# Altium PCB obc_board.PcbDoc (part 1 of 2)
Units mm, origin at the board's own origin, x right, y up, seen from the top; angles counter-clockwise.
Board outline 89 x 93.3 mm, 4 copper layers (Top Layer, Ground Plane, Power Plane, Bot Layer), stack 1.57 mm thick; 143 components, 109 nets, 735 pads, 627 vias.
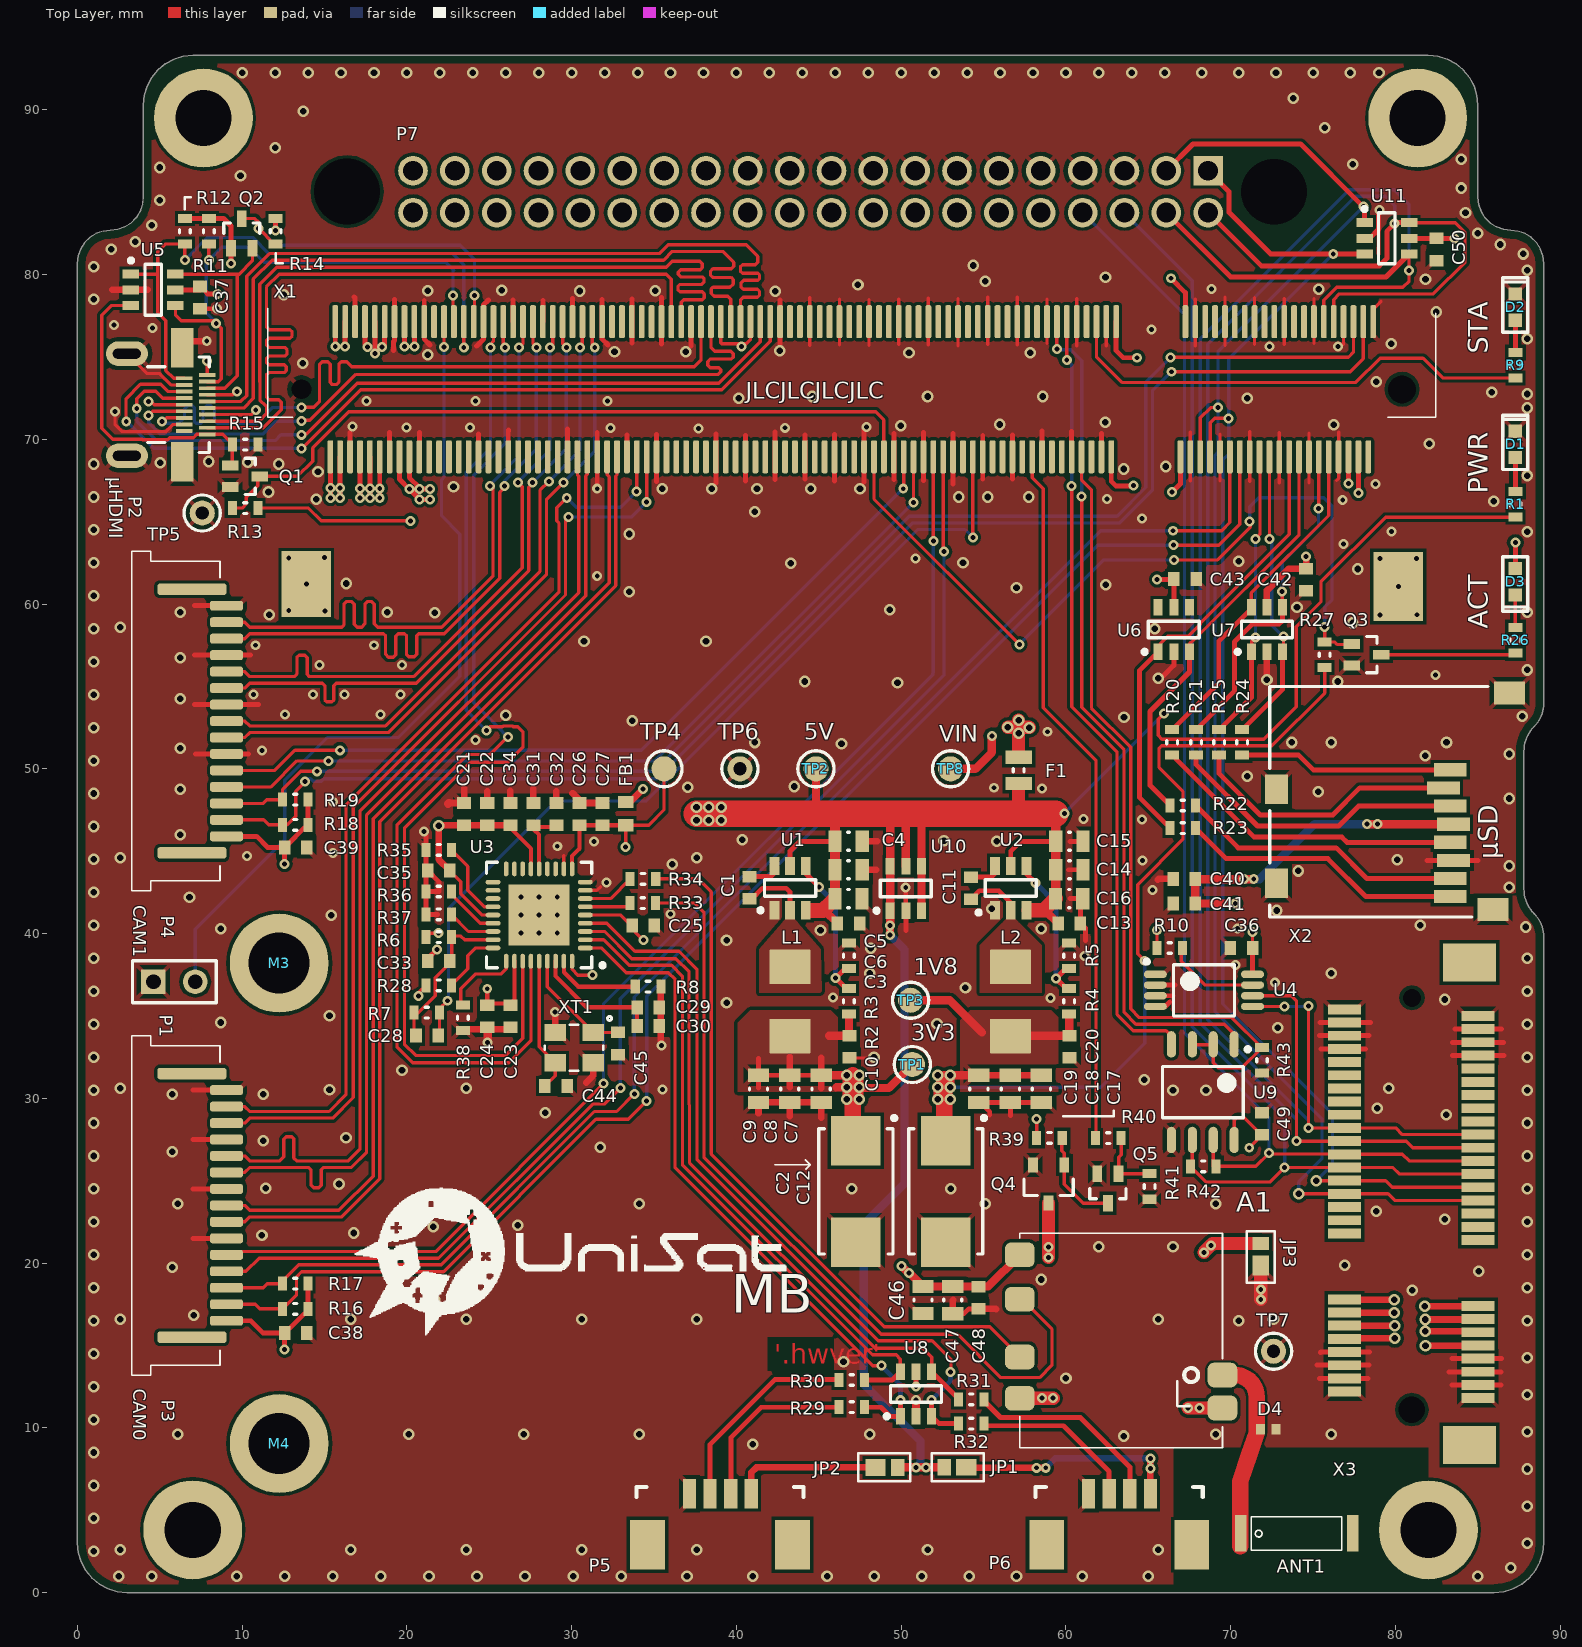
[diagram p0: Top Layer view]
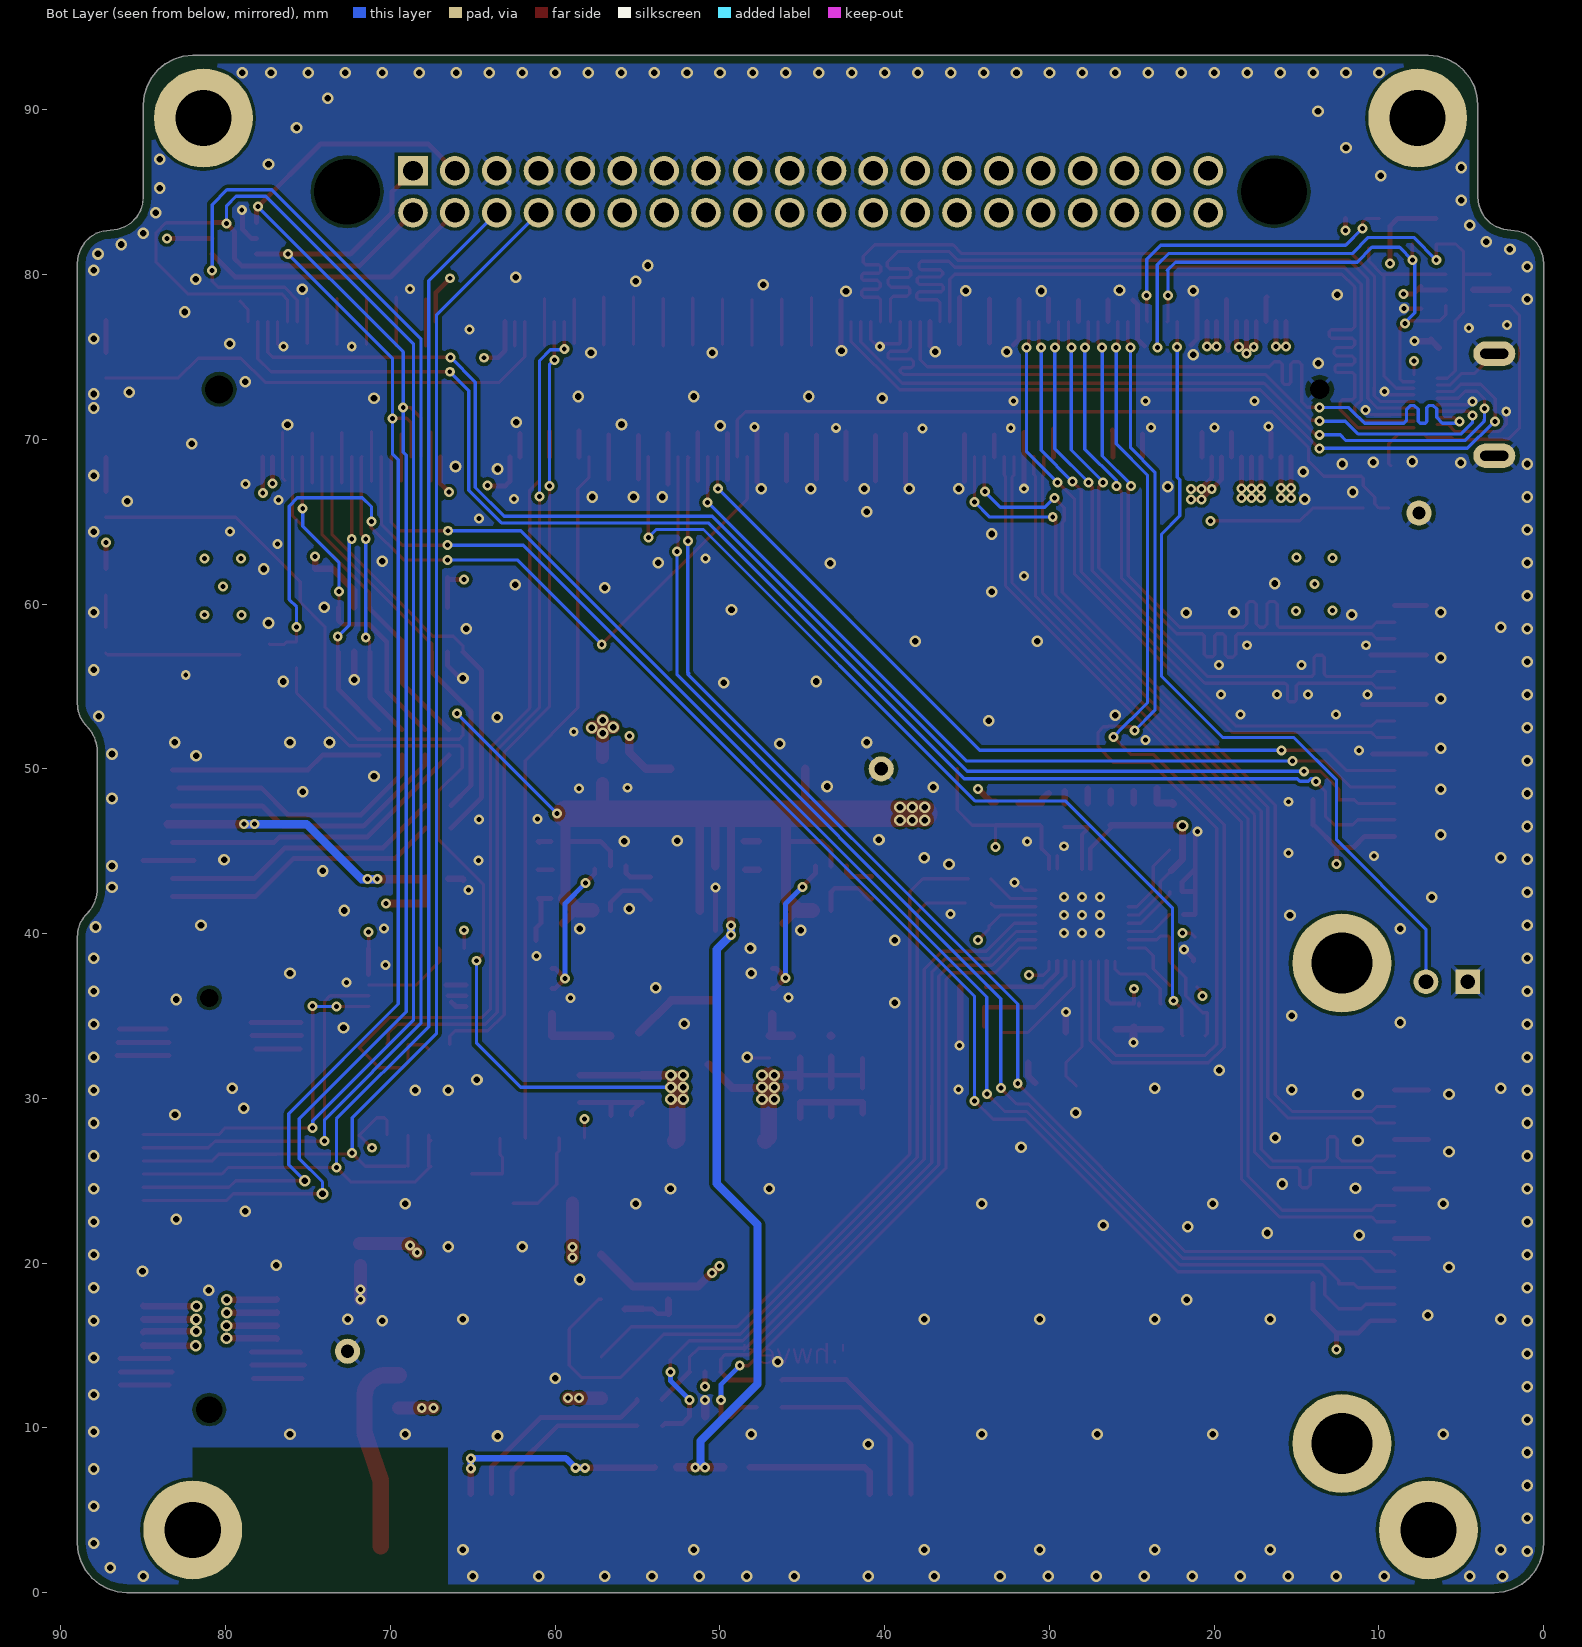
[diagram p1: Bot Layer view, seen from below]
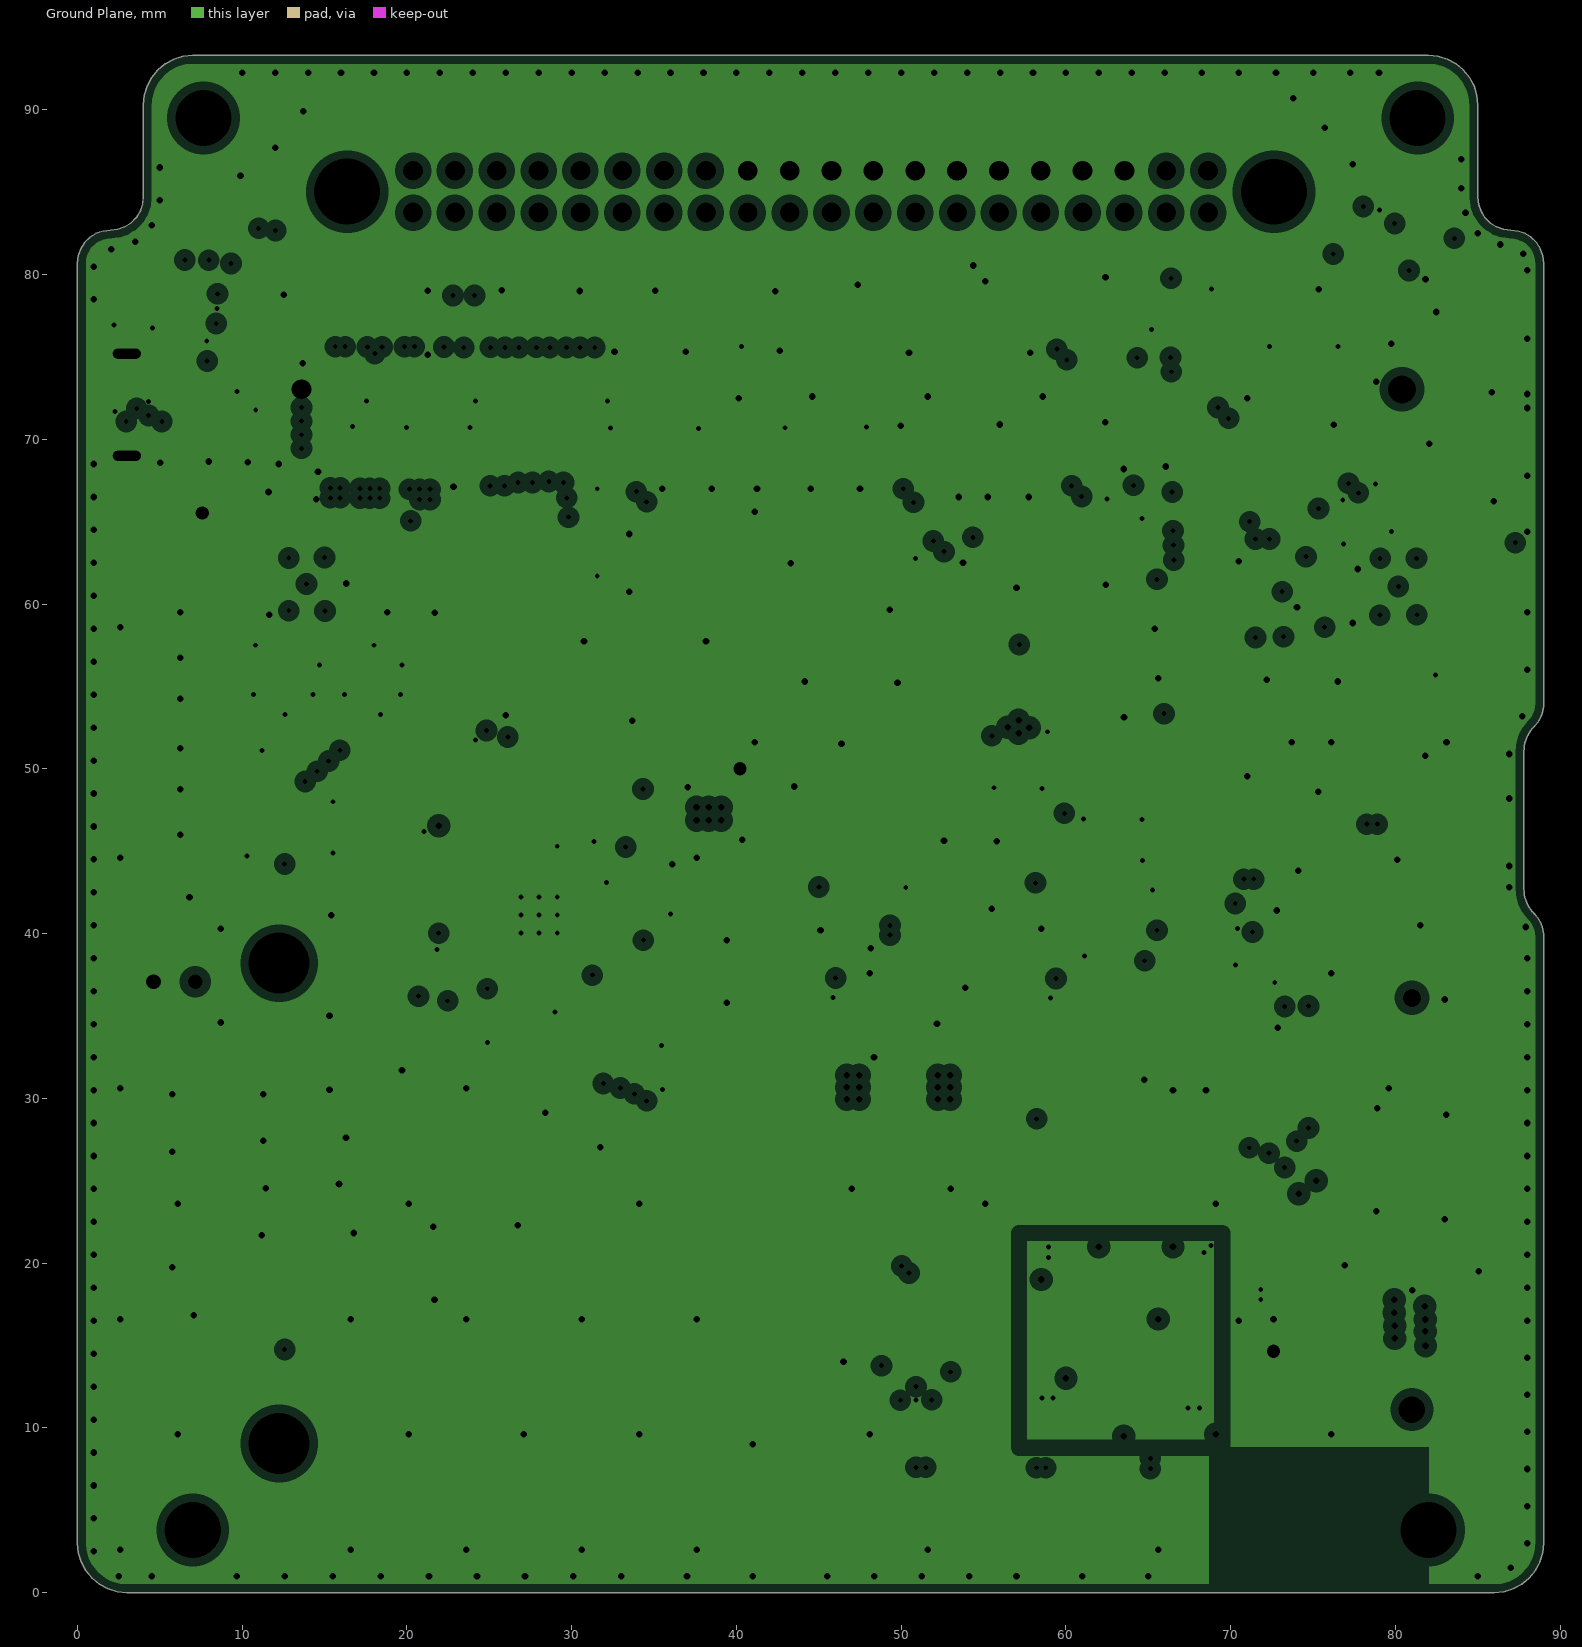
[diagram p2: Ground Plane, clearances drawn from the general rule]
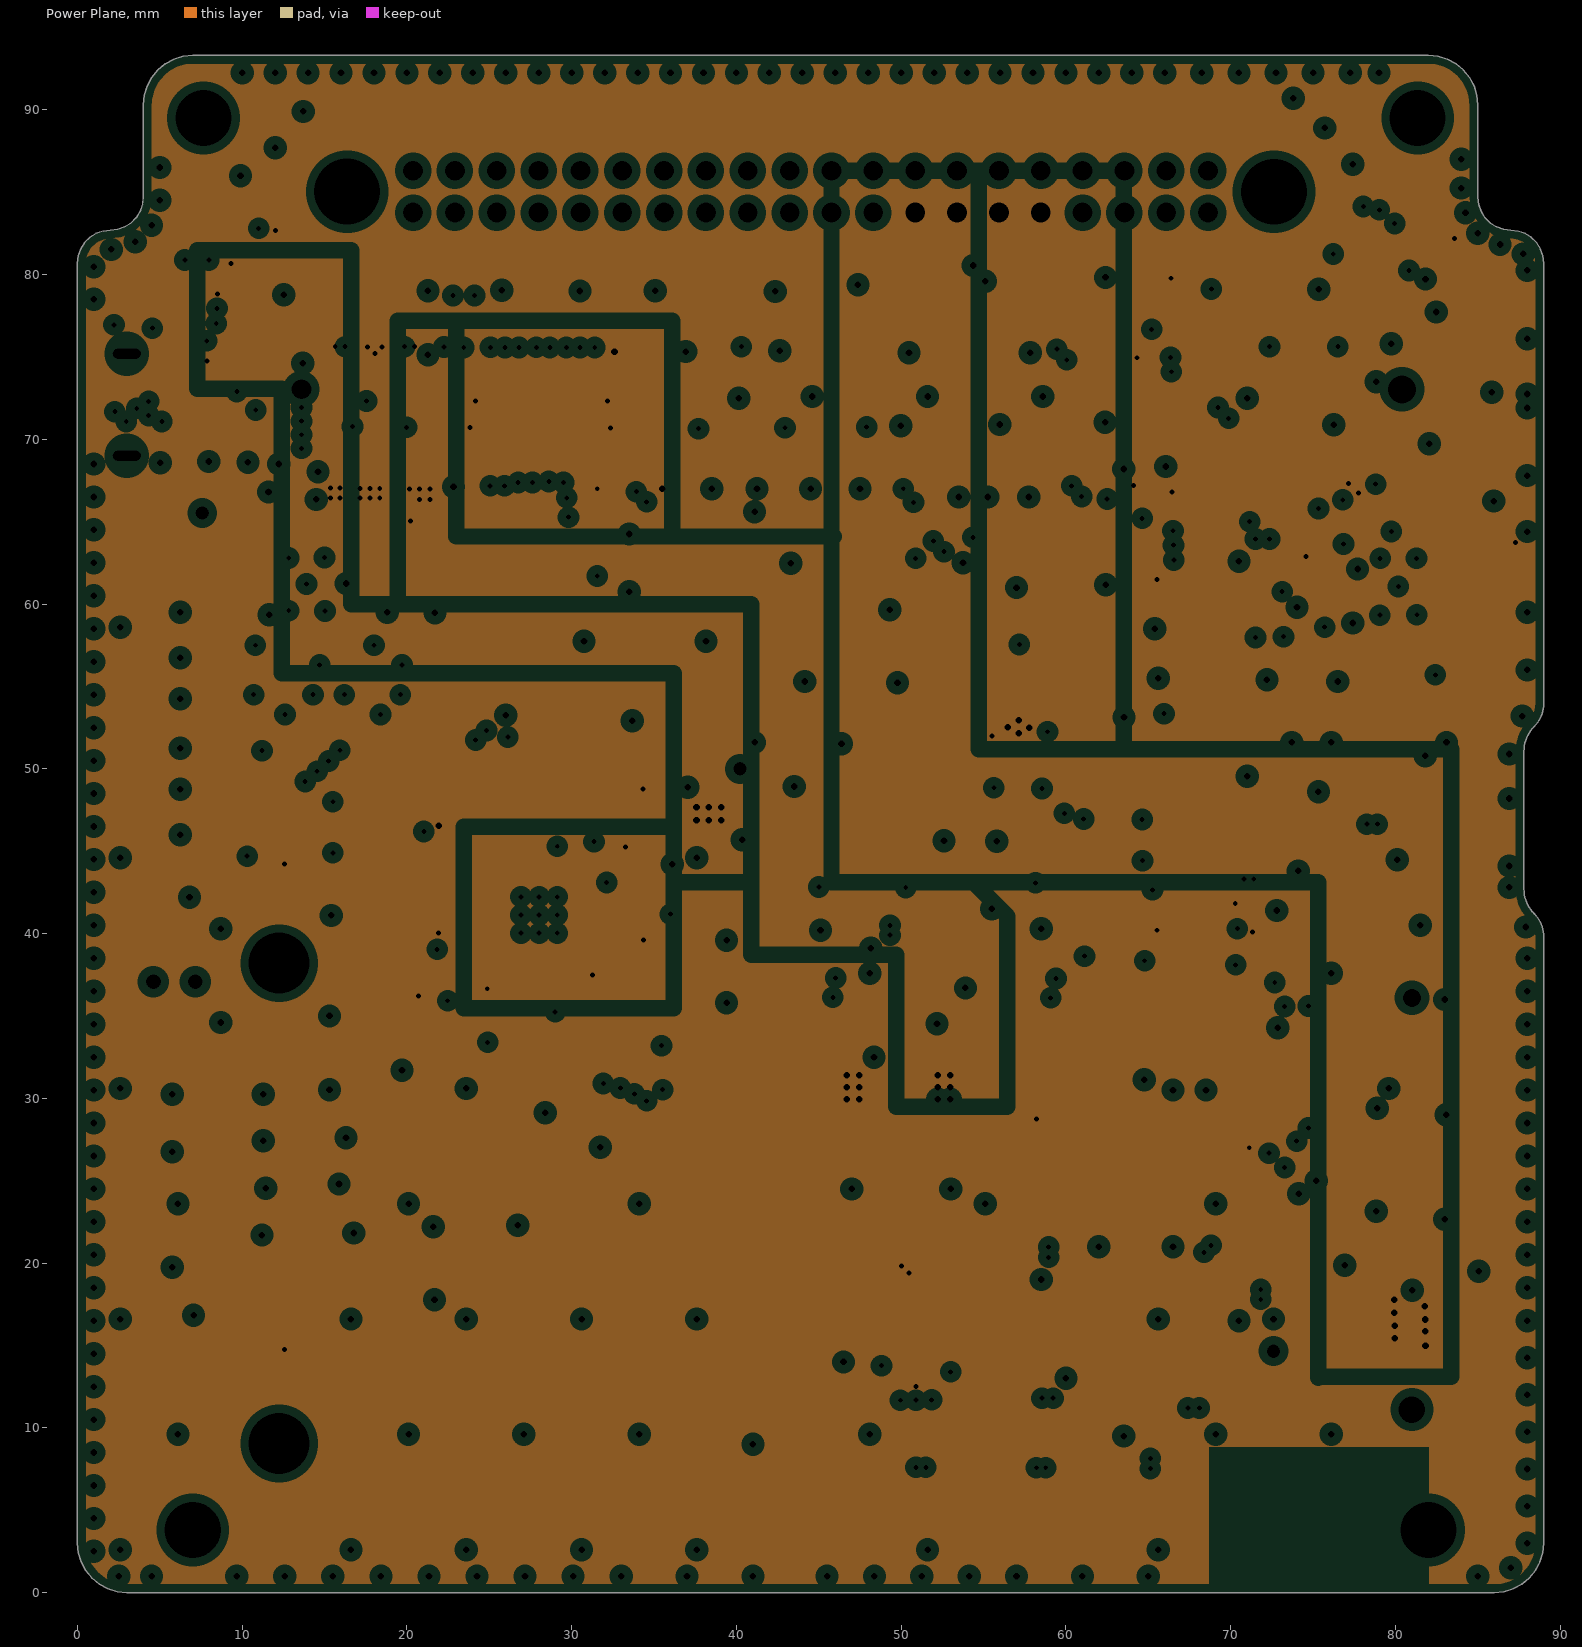
[diagram p3: Power Plane, clearances drawn from the general rule]
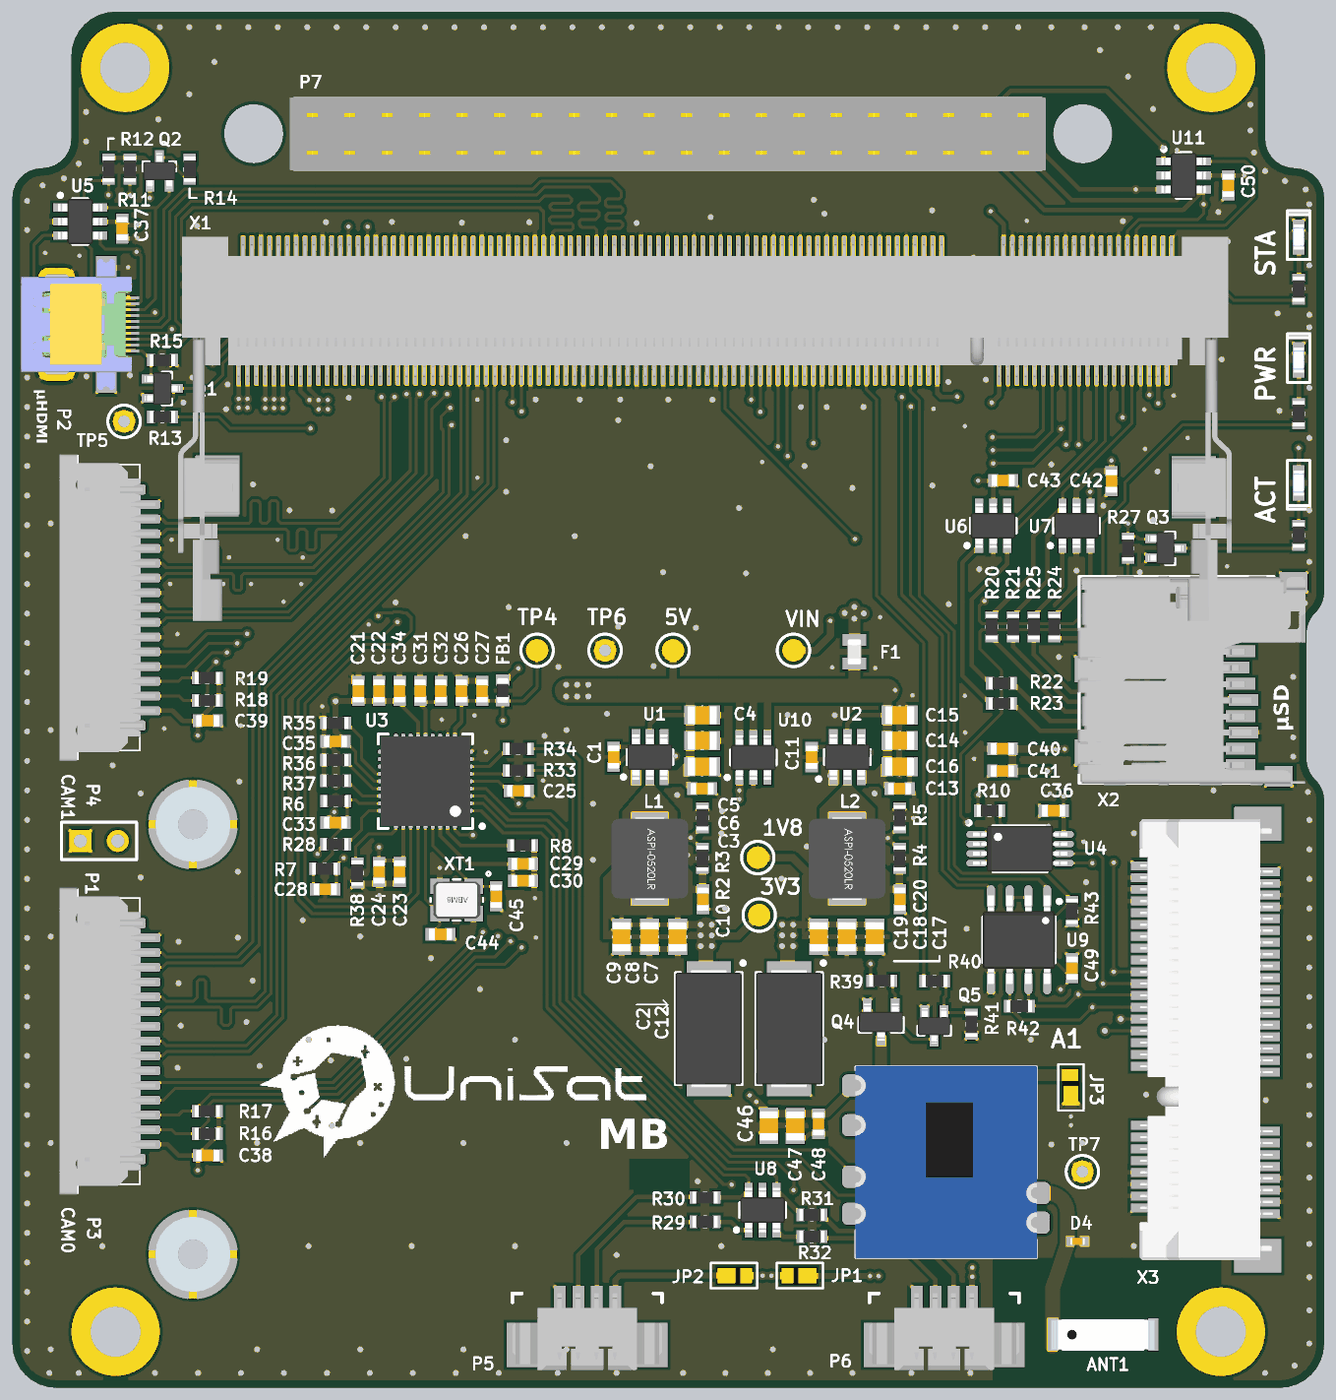
[diagram p5: 3D render of the assembled board from above, using the file's embedded part models]

## Layer stack, top to bottom
Top Solder: solder mask 0.0127, Solder Resist, Dk 3.5
Top Layer: signal copper 0.035
Dielectric 1: core 0.2, FR-4, Dk 4.6
Ground Plane: plane copper 0.0175, net (Multiple Nets)
Dielectric 3: core 1.065, Dk 4.2
Power Plane: plane copper 0.0175, net (Multiple Nets)
Dielectric 4: prepreg 0.2, Dk 4.2
Bot Layer: signal copper 0.035
Bottom Solder: solder mask 0.0127, Solder Resist, Dk 3.5

## Board outline
0.058,2.415 0,3 0,29.65 0,63.65 0,80.692 0.05,81.137 0.198,81.56 0.436,81.939 0.753,82.256 1.132,82.494 1.555,82.642 2,82.692 2.445,82.742 2.868,82.89 3.247,83.128 3.564,83.445 3.802,83.824 3.95,84.247 4,84.692 4,90.3 4.058,90.885 4.228,91.448 4.506,91.967 4.879,92.421 5.333,92.794 5.852,93.072 6.415,93.242 7,93.3 82,93.3 82.585,93.242 83.148,93.072 83.667,92.794 84.121,92.421 84.494,91.967 84.772,91.448 84.942,90.885 85,90.3 85,84.692 85.05,84.247 85.198,83.824 85.436,83.445 85.753,83.128 86.132,82.89 86.555,82.742 87,82.692 87.445,82.642 87.868,82.494 88.247,82.256 88.564,81.939 88.802,81.56 88.95,81.137 89,80.692 89,53.963 cw(c87.037,53.963) 88.425,52.575 ccw(c89.934,51.066) 87.8,51.066 87.8,42.709 ccw(c89.934,42.709) 88.425,41.2 cw(c87.037,39.812) 89,39.812 89,29.65 89,3 88.942,2.415 88.772,1.852 88.494,1.333 88.121,0.879 87.667,0.506 87.148,0.228 86.585,0.058 86,0 3,0 2.415,0.058 1.852,0.228 1.333,0.506 0.879,0.879 0.506,1.333 0.228,1.852

## Design rules (kind name [scope] priority, off if disabled: settings)
BoardOutlineClearance [All] p1: gap=0.5
Clearance Clearance_RF [InNetClass('RF')] p1: gap=0.152
Clearance Clearance_HDMI [HasFootprint('10118241-001RLF')] p2: gap=0.152
Clearance Clearance_PWRLAYER [OnLayer('Pwr Layer')] p3: gap=0.5
Clearance Clearance_ALL [All] p4: gap=0.2
ComponentClearance [HasFootprint('1775838-2 + TRX') or HasFootprint('1775838-2 + DRAFT') vs HasFootprint('9774030151R')] p1: gap=-1 collisioncheckmode=3 verticalgap=0.1 showdistances=FALSE
ComponentClearance ComponentClearance_ALL [All] p2: gap=0.254 collisioncheckmode=3 verticalgap=0.2 showdistances=FALSE
DiffPairsRouting DiffPairsRouting_HDMI_CAM [( InDifferentialPair('CAM0_C') or  InDifferentialPair('CAM0_D0') or InDifferentialPair('CAM0_D1') or InDifferentialPair('CAM1_C') or InDifferentialPair('CAM1_D0') or InDifferentialPair('CAM1_D1') or  InDifferentialPair('HDMI_CLK') or InDifferentialPair('HDMI_D0') or InDifferentialPair('HDMI_D1') or InDifferentialPair('HDMI_D2')  ) and OnTopLayer] p1: maxlimit=0.2 minlimit=0.2 mostfreqgap=0.2 toplayer_minwidth=0.2 toplayer_maxwidth=0.2 toplayer_prefwidth=0.2 bottomlayer_minwidth=0.2 bottomlayer_maxwidth=0.2 bottomlayer_prefwidth=0.2 maxuncoupledlength=12.7
DiffPairsRouting DiffPairsRouting_Others [All] p2: maxlimit=0.3 minlimit=0.2 mostfreqgap=0.25 toplayer_minwidth=0.2 toplayer_maxwidth=0.3 toplayer_prefwidth=0.25 bottomlayer_minwidth=0.2 bottomlayer_maxwidth=0.3 bottomlayer_prefwidth=0.25 maxuncoupledlength=12.7
HoleSize [All] p1: absolutevalues=TRUE maxlimit=6.2 minlimit=0.3 maxpercent=80.000 minpercent=20.000
MatchedLengths MatchedLengths_HDMI [InDifferentialPair('HDMI_CLK') OR InDifferentialPair('HDMI_D0') OR InDifferentialPair('HDMI_D1') OR InDifferentialPair('HDMI_D2')] p1: tolerance=5 checknetsindiffpair=FALSE checkdiffpairvsdiffpair=TRUE checkxsignals=TRUE checkothers=TRUE
MatchedLengths MatchedLengths_CAM1 [InDifferentialPair('CAM1_C') OR InDifferentialPair('CAM1_D0') OR InDifferentialPair('CAM1_D1')] p2: tolerance=2.54 checknetsindiffpair=FALSE checkdiffpairvsdiffpair=TRUE checkxsignals=TRUE checkothers=TRUE
MatchedLengths MatchedLengths_CAM0 [InDifferentialPair('CAM0_C') OR InDifferentialPair('CAM0_D0') OR InDifferentialPair('CAM0_D1')] p3: tolerance=2.54 checknetsindiffpair=FALSE checkdiffpairvsdiffpair=TRUE checkxsignals=TRUE checkothers=TRUE
MinimumAnnularRing [All] p1: minimumring=0.152
MinimumSolderMaskSliver MinimumSolderMaskSliver_pci [HasFootprint('1775838-2')  or  InComponent('C11') or  HasFootprint('1775838-2 + DRAFT')] p1: minsoldermaskwidth=0.051
MinimumSolderMaskSliver MinimumSolderMaskSliver_ddr [HasFootprint('1717254-1')] p2: minsoldermaskwidth=0.051
MinimumSolderMaskSliver MinimumSolderMaskSliver_usb [HasFootprint('TYPE-C-C168688')] p3: minsoldermaskwidth=0.051
MinimumSolderMaskSliver MinimumSolderMaskSliver_dfn [HasFootprint('WDFN12')] p4: minsoldermaskwidth=0.051
MinimumSolderMaskSliver MinimumSolderMaskSliver_hdmi [HasFootprint('10118241-001RLF')] p5: minsoldermaskwidth=0.051
MinimumSolderMaskSliver MinimumSolderMaskSliver_tssop8 [HasFootprint('TSSOP8_(ST)')] p6: minsoldermaskwidth=0.051
MinimumSolderMaskSliver MinimumSolderMaskSliver_aswitch [HasFootprint('MSOP-10')] p7: minsoldermaskwidth=0.051
MinimumSolderMaskSliver MinimumSolderMaskSliver_ALL [All] p8: minsoldermaskwidth=0.102
ParallelSegment [All] p1: limit=254 gap=0.2
PlaneClearance [All] p1: clearance=0.508
PlaneConnect [IsPadHoleValid] p1: planeconnectstyle=Relief reliefexpansion=0.254 reliefentries=4 reliefconductorwidth=0.3 reliefairgap=0.2
PlaneConnect PlaneConnect_ALL [All] p2: planeconnectstyle=Direct reliefexpansion=0.508 reliefentries=4 reliefconductorwidth=0.254 reliefairgap=0.254
PolygonConnect PolygonConnect_PWR_DIRECT [HasFootprint('ASPI-0520LR') or HasFootprint('SOT23-6_(TI)') vs IsRegion or IsPolygon] p1: connectstyle=Direct reliefconductorwidth=0.254 reliefentries=4 polygonreliefangle="90 Angle" airgapwidth=0.254
PolygonConnect PolygonConnect_GND [InNet('GND') and IsVia] p2: connectstyle=Direct reliefconductorwidth=0.254 reliefentries=4 polygonreliefangle="45 Angle" airgapwidth=0.254
PolygonConnect PolygonConnect_RF_CAP [(InComponent('D4')) and InNet('GND') vs IsPolygon] p3: connectstyle=Direct reliefconductorwidth=0.254 reliefentries=4 polygonreliefangle="45 Angle" airgapwidth=0.254
PolygonConnect PolygonConnect_all [All] p4: connectstyle=Relief reliefconductorwidth=0.254 reliefentries=4 polygonreliefangle="45 Angle" airgapwidth=0.254
RoomDefinition 03_RPI_VIDEO [InComponentClass('03_RPI_VIDEO')] p1 off: confinementstyle=ConfineIn formatcopy=TRUE lockcomponents=FALSE outline 47.725,-22.875 55.95,-22.875 55.95,-2.275 47.725,-2.275
RoomDefinition 06_RPI_USB [InComponentClass('06_RPI_USB')] p2 off: confinementstyle=ConfineIn formatcopy=TRUE lockcomponents=FALSE outline 19.775,-23.15 28.05,-23.15 28.05,-2.2 19.775,-2.2
RoomDefinition 08_AFBUS [InComponentClass('08_AFBUS')] p3 off: confinementstyle=ConfineIn formatcopy=TRUE lockcomponents=FALSE outline 38.325,-22.925 46.7,-22.925 46.7,-2.225 38.325,-2.225
RoomDefinition 07_RS485 [InComponentClass('07_RS485')] p4 off: confinementstyle=ConfineIn formatcopy=TRUE lockcomponents=FALSE outline 28.975,-23.075 37.325,-23.075 37.325,-2.225 28.975,-2.225
RoomDefinition 05_RPI_STROAGE [InComponentClass('05_RPI_STROAGE')] p5 off: confinementstyle=ConfineIn formatcopy=TRUE lockcomponents=FALSE outline 10.725,-23.2 18.925,-23.2 18.925,-2.2 10.725,-2.2
RoomDefinition 04_RPI_CAMERA [InComponentClass('04_RPI_CAMERA')] p6 off: confinementstyle=ConfineIn formatcopy=TRUE lockcomponents=FALSE outline 1.825,-23.2 9.775,-23.2 9.775,-2.225 1.825,-2.225
RoomDefinition 02_RPI_IO [InComponentClass('02_RPI_IO')] p7 off: confinementstyle=ConfineIn formatcopy=TRUE lockcomponents=FALSE outline -7.5,-23.225 0.825,-23.225 0.825,-2.375 -7.5,-2.375
RoomDefinition 01_Power [InComponentClass('01_Power')] p8 off: confinementstyle=ConfineIn formatcopy=TRUE lockcomponents=FALSE outline -25.4,-23.375 -17.55,-23.375 -17.55,-2.275 -25.4,-2.275
RoutingVias [All] p1: holewidth=0.3 width=0.6 viastyle="Through Hole" minholewidth=0.3 minwidth=0.6 maxholewidth=6 maxwidth=6.2
ShortCircuit [(HasFootprint('1717254-1') or HasFootprint('1717254-1 + CM3')) and IsPad and PadXSize_AllLayers > 2.5 vs isvia] p1: allowed=TRUE
ShortCircuit ShortCircuit_ALL [All] p2: allowed=FALSE
SilkToSilkClearance SilkToSilkClearance_Text [All vs IsObjectKind('Text')] p1: silktosilkclearance=0.152
SilkToSilkClearance SilkToSilkClearance_1 [All] p2: silktosilkclearance=0
SilkToSolderMaskClearance [IsPad] p1: minsilkscreentomaskgap=0.152 clearancetoexposedcopper=TRUE
SolderMaskExpansion [All] p1: expansion=0.051
Width Width_HDMI_DIFF [InDifferentialPair('HDMI_CLK') OR InDifferentialPair('HDMI_D0') OR InDifferentialPair('HDMI_D1') OR InDifferentialPair('HDMI_D2')] p1: maxlimit=0.2 minlimit=0.2 preferedwidth=0.2
Width Width_CAM1_DIFF [InDifferentialPair('CAM1_C') OR InDifferentialPair('CAM1_D0') OR InDifferentialPair('CAM1_D1')] p2: maxlimit=0.2 minlimit=0.2 preferedwidth=0.2
Width Width_CAM0_DIFF [InDifferentialPair('CAM0_C') OR InDifferentialPair('CAM0_D0') OR InDifferentialPair('CAM0_D1')] p3: maxlimit=0.2 minlimit=0.2 preferedwidth=0.2
Width Width_ALL [All] p4: maxlimit=10 minlimit=0.2 preferedwidth=0.3
21 further rules are at their usual default settings.

## Classes and differential pairs
component class 03_RPI_VIDEO: C37 P2 Q1 Q2 R11 R12 R13 R14 R15 U5
component class 06_RPI_USB: A1 ANT1 C44 C45 C46 C47 C48 CN7 D4 JP1 JP2 JP3 P5 P6 Q4 Q5 Q? R28 R29 R30 R31 R32 R33 R34 R35 R36 R37 R38 R39 R40 R41 R? U3 U8 XT1
component class 02_RPI_IO: C36 D2 R9 R10 U4
component class 08_AFBUS: 1 C50 F1 P7 TP8 U10 U11 X3
component class 07_RS485: C49 R42 R43 U9
component class 05_RPI_STROAGE: C40 C41 C42 C43 CN5 D3 Q3 R20 R21 R22 R23 R24 R25 R26 R27 U6 U7 X2
component class 04_RPI_CAMERA: C38 C39 P3 P4 R16 R17 R18 R19
component class 01_Power: C1 C2 C3 C4 C5 C6 C7 C8 C9 C10 C11 C12 C13 C14 C15 C16 C17 C18 C19 C20 C21 C22 C23 C24 C25 C26 C27 C28 C29 C30 C31 C32 C33 C34 C35 C? D1 FB1 FB? L1 L2 M3 M4 P1 R1 R2 R3 R4 R5 R6 R7 R8 TP1 TP2 TP3 TP4 TP5 TP6 TP7 U1 U2 X1
net class RF: NetA1_1
differential pair CAM1_D1: +CAM1_D1_P -CAM1_D1_N
differential pair CAM1_D0: +CAM1_D0_P -CAM1_D0_N
differential pair CAM1_C: +CAM1_C_P -CAM1_C_N
differential pair CAM0_D1: +CAM0_D1_P -CAM0_D1_N
differential pair CAM0_D0: +CAM0_D0_P -CAM0_D0_N
differential pair CAM0_C: +CAM0_C_P -CAM0_C_N
differential pair SUSB1_ESD: +SUSB1_ESD_P -SUSB1_ESD_N
differential pair SUSB2_ESD: +SUSB2_ESD_P -SUSB2_ESD_N
differential pair USB: +USB_P -USB_N
differential pair WRL_USB: +WRL_USB_P -WRL_USB_N
differential pair HDMI_CLK: +HDMI_CLK_P -HDMI_CLK_N
differential pair HDMI_D0: +HDMI_D0_P -HDMI_D0_N
differential pair HDMI_D1: +HDMI_D1_P -HDMI_D1_N
differential pair HDMI_D2: +HDMI_D2_P -HDMI_D2_N
